# Altium PCB STB_LightBoard.PcbDoc (part 11 of 31) (continued)
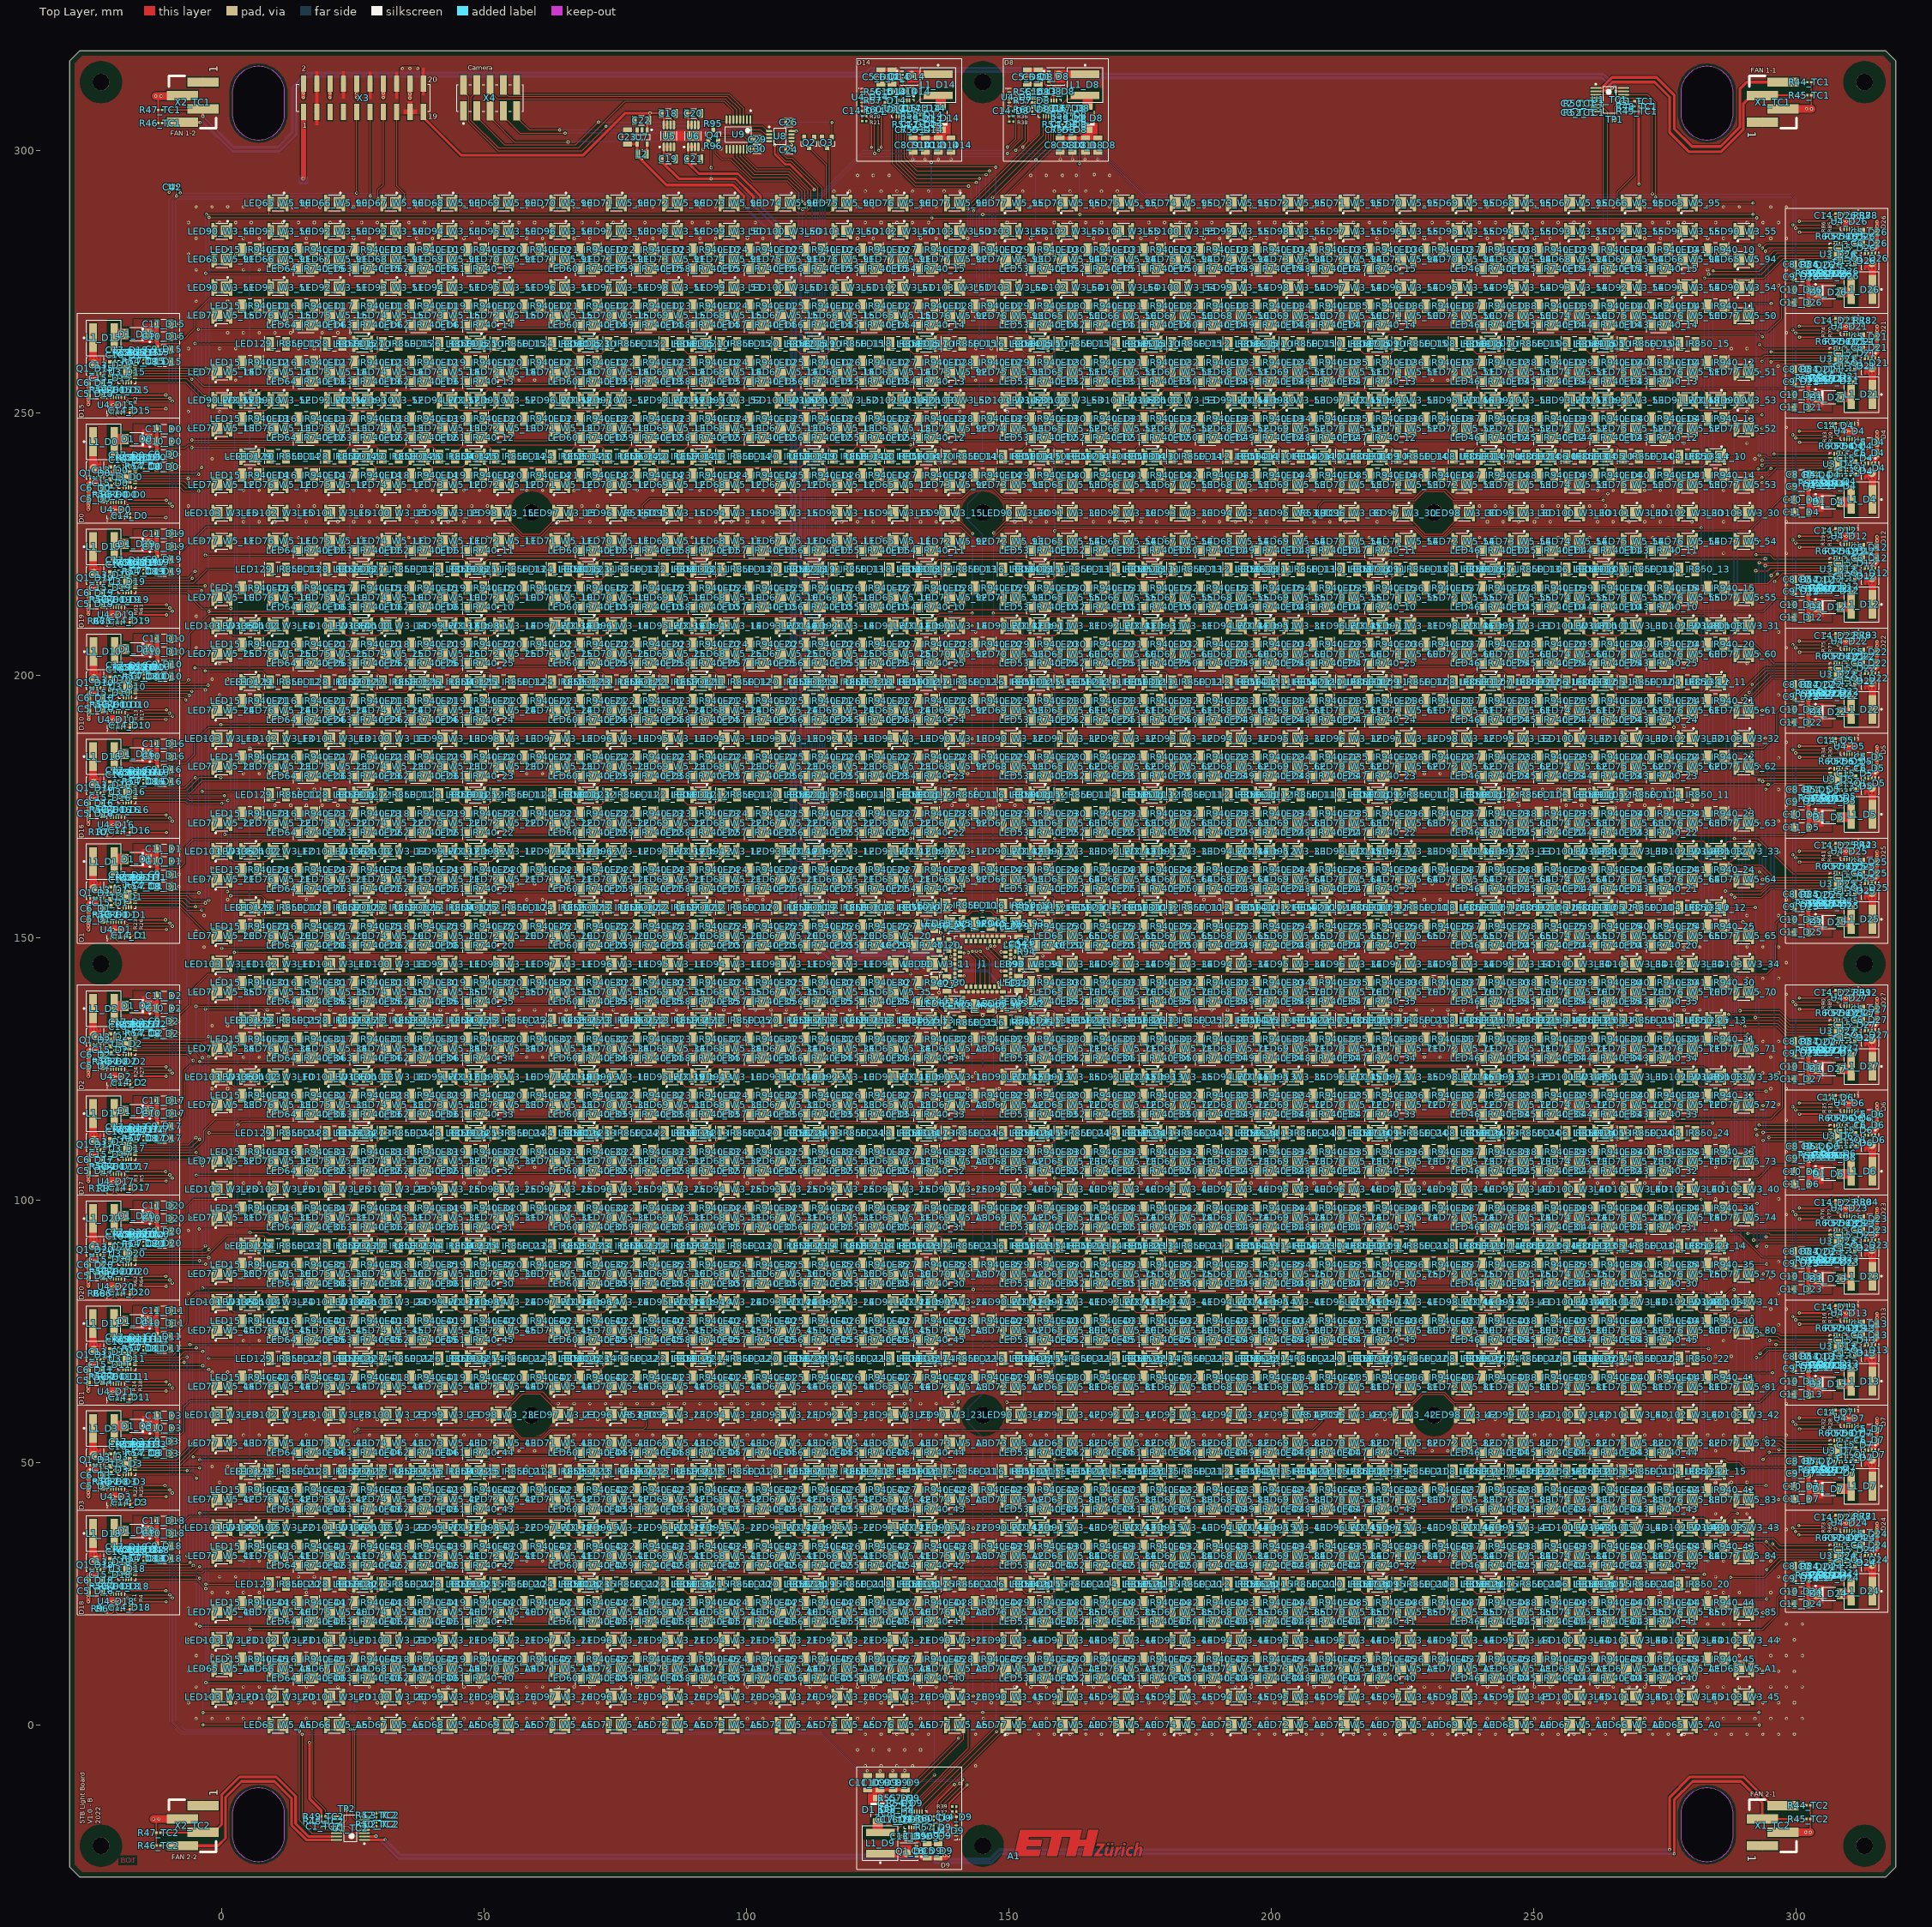
[diagram p0: Top Layer view]
## Components (designator, comment, footprint, x,y, rotation, side; value= is the part's Value field where it differs from the comment) (continued)
U4_D2 "LTC4316IDD#TRPBF" DFN10(3x3)_N -20.125,123.525 r90 top (schematic designator U4)
U4_D3 "LTC4316IDD#TRPBF" DFN10(3x3)_N -20.125,43.525 r90 top (schematic designator U4)
U4_D4 "LTC4316IDD#TRPBF" DFN10(3x3)_N 310.125,246.475 r270 top (schematic designator U4)
U4_D5 "LTC4316IDD#TRPBF" DFN10(3x3)_N 310.125,186.475 r270 top (schematic designator U4)
U4_D6 "LTC4316IDD#TRPBF" DFN10(3x3)_N 310.125,118.475 r270 top (schematic designator U4)
U4_D7 "LTC4316IDD#TRPBF" DFN10(3x3)_N 310.125,58.475 r270 top (schematic designator U4)
U4_D8 "LTC4316IDD#TRPBF" DFN10(3x3)_N 151.525,310.125 r0 top (schematic designator U4)
U4_D9 "LTC4316IDD#TRPBF" DFN10(3x3)_N 138.475,-20.125 r180 top (schematic designator U4)
U4_D10 "LTC4316IDD#TRPBF" DFN10(3x3)_N -20.067,191.525 r90 top (schematic designator U4)
U4_D11 "LTC4316IDD#TRPBF" DFN10(3x3)_N -20.167,63.525 r90 top (schematic designator U4)
U4_D12 "LTC4316IDD#TRPBF" DFN10(3x3)_N 310.125,226.475 r270 top (schematic designator U4)
U4_D13 "LTC4316IDD#TRPBF" DFN10(3x3)_N 310.125,78.475 r270 top (schematic designator U4)
U4_D14 "LTC4316IDD#TRPBF" DFN10(3x3)_N 123.525,310.125 r0 top (schematic designator U4)
U4_D15 "LTC4316IDD#TRPBF" DFN10(3x3)_N -20.125,251.525 r90 top (schematic designator U4)
U4_D16 "LTC4316IDD#TRPBF" DFN10(3x3)_N -20.125,171.525 r90 top (schematic designator U4)
U4_D17 "LTC4316IDD#TRPBF" DFN10(3x3)_N -20.125,103.525 r90 top (schematic designator U4)
U4_D18 "LTC4316IDD#TRPBF" DFN10(3x3)_N -20.125,23.525 r90 top (schematic designator U4)
U4_D19 "LTC4316IDD#TRPBF" DFN10(3x3)_N -20.125,211.525 r90 top (schematic designator U4)
U4_D20 "LTC4316IDD#TRPBF" DFN10(3x3)_N -20.125,83.525 r90 top (schematic designator U4)
U4_D21 "LTC4316IDD#TRPBF" DFN10(3x3)_N 310.125,266.475 r270 top (schematic designator U4)
U4_D22 "LTC4316IDD#TRPBF" DFN10(3x3)_N 310.125,206.475 r270 top (schematic designator U4)
U4_D23 "LTC4316IDD#TRPBF" DFN10(3x3)_N 310.125,98.475 r270 top (schematic designator U4)
U4_D24 "LTC4316IDD#TRPBF" DFN10(3x3)_N 310.125,38.475 r270 top (schematic designator U4)
U4_D25 "LTC4316IDD#TRPBF" DFN10(3x3)_N 310.125,166.475 r270 top (schematic designator U4)
U4_D26 "LTC4316IDD#TRPBF" DFN10(3x3)_N 310.125,286.475 r270 top (schematic designator U4)
U4_D27 "LTC4316IDD#TRPBF" DFN10(3x3)_N 310.125,138.475 r270 top (schematic designator U4)
U5 "ADP124ARHZ-2.8-R7" ADI-RH-8-1_N 85.2,302.75 r90 top
U6 "ADP124ARHZ-2.8-R7" ADI-RH-8-1_N 89.85,302.75 r90 top
U7 "LM3674MF-1.2/NOPB" DBV0005A_N 80.1,302.55 r270 top
U8 "TCA9800DGKT" DGK0008A_L 106.425,302.725 r0 top
U9 "SN74AXC4T774PWR" FP-PW0016A-IPC_B 98.45,303.05 r270 top
X1_TC1 "3-647168-4" 3-647168-4 295.55,309.19 r270 top (schematic designator X1)
X1_TC2 "3-647168-4" 3-647168-4 295.55,-19.19 r270 top (schematic designator X1)
X2_TC1 "3-647168-4" 3-647168-4 -5.55,309.19 r90 top (schematic designator X2)
X2_TC2 "3-647168-4" 3-647168-4 -5.55,-19.19 r90 top (schematic designator X2)
X3 "61002021121" 61002021121 27,310 r0 top
X4 "TSM-105-01-T-DV-TR" SMTC-TSM-105-01-T-DV_V 51.13,310 r0 top
Y1 "ASEMB-25.000MHZ-LC-T" FP-ASEMB-MFG 137.6,148.6 r270 top

## Footprints (in the part's own frame and the unit in brackets; to place one, negate y for a bottom-side part, rotate by r counter-clockwise, add the part's x,y. Pads: shape width x height; smd on the part's side, far side on the other; paste and mask are expansions set on the pad)
3-647168-4 [mm] "04P MTA100 HDR ASSY SM 30AU LF"
  rect 1.78x5.97 smd paste-1: 1(3.81,-1.965) 2(1.27,1.965) 3(-1.27,-1.965) 4(-3.81,1.965)
  silkscreen extent -5,-4.5 5,4.5, body extent -5.08,-4.27 5.08,4.31, height 10.67
"4-WLCSP (0.77x0.77)" [mm] "BGA, 4-Balls, Body 0.77x0.77mm, Pitch 0.4mm"
  round 0.22 smd mask+0.032: A1(-0.2,0.2) A2(0.2,0.2) B1(-0.2,-0.2) B2(0.2,-0.2)
  silkscreen extent -0.55,-0.38 0.39,0.57, body extent -0.33,-0.33 0.33,0.33, height 0.4
61002021121 [mm] "Pin Header, pitch 2.54 mm, SMD, Vertical, dual row, 20p"
  rect 1x3.1 smd: 1(-11.43,-2.7) 2(-11.43,2.7) 3(-8.89,-2.7) 4(-8.89,2.7) 5(-6.35,-2.7) 6(-6.35,2.7) 7(-3.81,-2.7) 8(-3.81,2.7) 9(-1.27,-2.7) 10(-1.27,2.7) 11(1.27,-2.7) 12(1.27,2.7) 13(3.81,-2.7) 14(3.81,2.7) 15(6.35,-2.7) 16(6.35,2.7) 17(8.89,-2.7) 18(8.89,2.7) 19(11.43,-2.7) 20(11.43,2.7)
  silkscreen extent -12.77,-2.56 12.77,2.57, body extent -12.7,-3.75 12.7,3.75, height 9.62
ADI-RH-8-1_N [mm] "SOP, 8-Leads, Body 3x3mm, Pitch 0.65mm, Thermal Pad 1.73x2.16mm, IPC Medium Density"
  oval 1.7x0.45 smd: 1(-2.1,0.975) 2(-2.1,0.325) 3(-2.1,-0.325) 4(-2.1,-0.975) 5(2.1,-0.975) 6(2.1,-0.325) 7(2.1,0.325) 8(2.1,0.975)
  rect 1.83x2.26 smd: 9(0,0)
  silkscreen extent -2.22,-1.55 0.85,1.87, body extent -1.55,-1.55 1.55,1.55, height 1.1
AREM-80C0-LM000 [mm] "Infrared (IR) Emitter 850nm 1.5V 70mA 14.4mW/sr @ 70mA (Typ) 120° 2-PLCC"
  rect 1.5x2.6 smd: 1(-1.5,0) 2(1.5,0)
  silkscreen extent -2.55,-1.4 0.38,1.4, body extent -1.55,-1.4 1.55,1.4, height 1.9
CAPC1005X55X25LL5T10 [mm] "Chip Capacitor, 2-Leads, Body 1.05x0.55mm, IPC High Density"
  rect 0.56x0.52 smd: 1(-0.39,0) 2(0.39,0)
  body extent -0.53,-0.28 0.53,0.28, height 0.55
CAPC1005X56X25LL10T15 [mm] "Chip Capacitor, 2-Leads, Body 1.00x0.50mm, IPC High Density"
  rect 0.58x0.54 smd: 1(-0.39,0) 2(0.39,0)
  body extent -0.55,-0.3 0.55,0.3, height 0.56
CAPC1050X55X23LL05T13 [mm] "Chip Capacitor, 2-Leads, Body 1.05x0.55mm, IPC High Density"
  rect 0.56x0.52 smd: 1(-0.39,0) 2(0.39,0)
  body extent -0.53,-0.28 0.53,0.28, height 0.55
CAPC1608X90X35LL15T15 [mm] "Chip Capacitor, 2-Leads, Body 1.60x0.81mm, IPC High Density"
  rect 0.85x0.9 smd: 1(-0.65,0) 2(0.65,0)
  body extent -0.88,-0.48 0.87,0.48, height 0.9
DBV0005A_N [mm] "SOT23, 5-Leads, Body 3.05x1.75mm, Pitch 0.95mm, IPC Medium Density"
  rrect17% 1x0.6 smd: 1(-1.375,0.95) 2(-1.375,0) 3(-1.375,-0.95) 4(1.375,-0.95) 5(1.375,0.95)
  silkscreen extent -1.5,-1.55 0.5,1.93, body extent -1.42,-1.46 1.42,1.46, height 1.08
DFN10(3x3)_N [mm] "SON, 10-Leads, Body 3x3mm, Pitch 0.5mm, Thermal Pad 2.45x1.6mm, IPC Medium Density"
  oval 0.8x0.25 smd: 1(-1.475,1) 2(-1.475,0.5) 3(-1.475,0) 4(-1.475,-0.5) 5(-1.475,-1) 6(1.475,-1) 7(1.475,-0.5) 8(1.475,0) 9(1.475,0.5) 10(1.475,1)
  rect 0.25x2.45 smd paste+0 mask+0: 11(0,0)
  Top Layer region: -0.8,-1.225 -0.375,-1.225 -0.375,-1.575 -0.125,-1.575 -0.125,-1.225 0.125,-1.225 0.125,-1.575 0.375,-1.575 0.375,-1.225 0.8,-1.225 0.8,1.225 0.375,1.225 0.375,1.575 0.125,1.575 0.125,1.225 -0.125,1.225 -0.125,1.575 -0.375,1.575 -0.375,1.225 -0.8,1.225
  silkscreen extent -2.17,-1.72 1.72,1.77, body extent -1.57,-1.57 1.58,1.58, height 1
DGK0008A_L [mm] "TSOP, 8-Leads, Body 3.1x3.1mm, Pitch 0.65mm, IPC High Density"
  rrect22% 1.15x0.45 smd: 1(-2.125,0.975) 2(-2.125,0.325) 3(-2.125,-0.325) 4(-2.125,-0.975) 5(2.125,-0.975) 6(2.125,-0.325) 7(2.125,0.325) 8(2.125,0.975)
  silkscreen extent -2.25,-1.55 1.15,1.87, body extent -2.45,-1.5 2.45,1.5, height 0.94
eth-zurich_5mm [mm] "Logo ETH Zurich"
  Top Layer circle w0.5: c20.997,2.288 r0.001
  Top Layer circle w0.45: c18.655,2.315 r0.001
  Top Layer circle w0.45: c17.94,2.315 r0.001
  Top Layer region: 23.53,1.6 23.53,1.6 23.415,1.465 23.667,2.602 23.257,2.602 22.69,0.04 23.1,0.04 23.25,0.723 23.335,0.925 23.435,1.105 23.535,1.265 23.635,1.37 23.715,1.425 23.795,1.465 23.855,1.465 23.915,1.445 23.955,1.405 23.965,1.345 23.965,1.265 23.955,1.195 23.697,0.04 24.142,0.04 24.335,0.925 24.408,1.255 24.415,1.405 24.395,1.545 24.355,1.665 24.275,1.745 24.175,1.805 24.095,1.825 23.935,1.825 23.775,1.785 23.635,1.705
  Top Layer region: 22.69,1.753 22.69,1.753 22.6,1.785 22.5,1.8 22.34,1.8 22.16,1.785 21.97,1.74 21.81,1.66 21.68,1.56 21.6,1.48 21.52,1.38 21.45,1.26 21.4,1.14 21.35,1 21.32,0.87 21.3,0.74 21.3,0.57 21.32,0.42 21.35,0.32 21.4,0.22 21.46,0.14 21.54,0.08 21.63,0.04 21.72,0.02 21.92,0 22.02,0 22.2,0.02 22.313,0.048 22.36,0.06 22.403,0.453 22.31,0.42 22.18,0.39 22.08,0.38 22.01,0.38 21.93,0.4 21.86,0.44 21.82,0.48 21.79,0.54 21.77,0.61 21.76,0.68 21.76,0.77 21.78,0.9 21.82,1.03 21.87,1.14 21.93,1.23 22.02,1.34 22.1,1.39 22.18,1.42 22.26,1.43 22.38,1.43 22.49,1.42 22.54,1.41 22.61,1.39
  Top Layer region: 20.73,0.04 20.73,0.04 21.117,1.785 20.707,1.785 20.32,0.04
  Top Layer region: 19.763,1.3 19.763,1.3 19.87,1.785 19.46,1.785 19.072,0.04 19.483,0.04 19.545,0.323 19.64,0.63 19.75,0.9 19.84,1.07 19.965,1.235 20.05,1.32 20.12,1.37 20.19,1.4 20.24,1.4 20.308,1.382 20.4,1.8 20.34,1.81 20.28,1.81 20.22,1.8 20.13,1.76 20.07,1.72 19.99,1.65 19.92,1.58 19.84,1.46
  Top Layer region: 18.61,0.04 18.61,0.04 18.998,1.785 18.535,1.785 18.385,1.102 18.3,0.9 18.2,0.72 18.1,0.56 18,0.455 17.92,0.4 17.84,0.36 17.78,0.36 17.72,0.38 17.68,0.42 17.67,0.48 17.67,0.56 17.68,0.63 17.938,1.785 17.492,1.785 17.3,0.9 17.227,0.57 17.22,0.42 17.24,0.28 17.28,0.16 17.36,0.08 17.46,0.02 17.54,0 17.7,0 17.86,0.04 18,0.12 18.105,0.225 18.22,0.36 18.15,0.04
  Top Layer region: 17.265,2.4 17.265,2.4 15.753,2.4 15.66,1.985 16.575,1.985 15.288,0.308 15.23,0.04 16.74,0.04 16.833,0.455 15.915,0.455 17.207,2.14
  Top Layer region: 14.825,0 14.825,0 16,5 14.155,5 13.712,3.117 12.432,3.117 12.872,5 1.175,5 0,0 1.953,0 4.73,0 5.035,1.3 2.26,1.3 2.402,1.91 5.058,1.91 5.34,3.11 2.682,3.11 2.822,3.7 7.123,3.7 6.25,0 8.205,0 9.075,3.7 10.723,3.7 9.855,0 11.7,0 12.15,1.917 13.43,1.917 12.98,0
FP-511DQ-MFG#1 [mm]
  rect 0.42x0.7 smd paste+0 mask+0: 1(-0.975,-1.4) 2(-0.325,-1.4) 3(0.325,-1.4) 4(0.975,-1.4)
  round 1.529 smd paste+0 mask+0: 5-6-7-8(-0.312,0.473)
  Top Layer region: -1.185,1.75 -0.765,1.75 -0.765,1.3 -0.535,1.3 -0.535,1.75 -0.115,1.75 -0.115,1.3 0.115,1.3 0.115,1.75 0.535,1.75 0.535,1.3 0.765,1.3 0.765,1.75 1.185,1.75 1.185,-0.4 -1.185,-0.4 -1.185,1.75
  silkscreen extent -1.68,-2.45 1.68,1.68, body extent -1.83,-1.85 1.83,1.85, height 0.25
FP-511DQ-MFG#2 [mm]
  rect 0.42x0.7 smd paste+0 mask+0: 1(-0.975,-1.4) 2(-0.325,-1.4) 3(0.325,-1.4) 4(0.975,-1.4)
  round 1.529 smd paste+0 mask+0: 5-6-7-8(0,0.5)
  Top Layer region: -1.185,1.75 -0.765,1.75 -0.765,1.3 -0.535,1.3 -0.535,1.75 -0.115,1.75 -0.115,1.3 0.115,1.3 0.115,1.75 0.535,1.75 0.535,1.3 0.765,1.3 0.765,1.75 1.185,1.75 1.185,-0.4 -1.185,-0.4 -1.185,1.75
  silkscreen extent -1.68,-2.45 1.68,1.68, body extent -1.83,-1.85 1.83,1.85, height 0.25
FP-1050281001-MFG [mm]
  rect 0.84x0.5 smd paste+0 mask+0: 1(-4.31,3.15) 2(-4.31,2.25) 3(-4.31,1.35) 4(-4.31,0.45) 5(-4.31,-0.45) 6(-4.31,-1.35) 7(-4.31,-2.25) 8(-4.31,-3.15) 17(4.31,-3.15) 18(4.31,-2.25) 19(4.31,-1.35) 20(4.31,-0.45) 21(4.31,0.45) 22(4.31,1.35) 23(4.31,2.25) 24(4.31,3.15)
  rect 0.5x0.84 smd paste+0 mask+0: 9(-3.15,-4.31) 10(-2.25,-4.31) 11(-1.35,-4.31) 12(-0.45,-4.31) 13(0.45,-4.31) 14(1.35,-4.31) 15(2.25,-4.31) 16(3.15,-4.31) 25(3.15,4.31) 26(2.25,4.31) 27(1.35,4.31) 28(0.45,4.31) 29(-0.45,4.31) 30(-1.35,4.31) 31(-2.25,4.31) 32(-3.15,4.31)
  rect 1.1x0.65 smd paste+0 mask+0: 33(-3.83,5.305) 41(3.83,5.305) 60(-3.83,-5.305) 68(3.83,-5.305)
  rect 0.65x0.65 smd paste+0 mask+0: 34(-2.7,5.305) 35(-1.8,5.305) 36(-0.9,5.305) 37(0,5.305) 38(0.9,5.305) 39(1.8,5.305) 40(2.7,5.305) 44(-5.305,2.7) 45(5.305,2.7) 46(-5.305,1.8) 47(5.305,1.8) 48(-5.305,0.9) 49(5.305,0.9) 50(-5.305,0) 51(5.305,0) 52(-5.305,-0.9) 53(5.305,-0.9) 54(-5.305,-1.8) 55(5.305,-1.8) 56(-5.305,-2.7) 57(5.305,-2.7) 61(-2.7,-5.305) 62(-1.8,-5.305) 63(-0.9,-5.305) 64(0,-5.305) 65(0.9,-5.305) 66(1.8,-5.305) 67(2.7,-5.305)
  rect 0.65x1.1 smd paste+0 mask+0: 42(-5.305,3.83) 43(5.305,3.83) 58(-5.305,-3.83) 59(5.305,-3.83)
  silkscreen extent -6.4,-5.38 5.38,5.38, body extent -5.73,-5.73 5.73,5.73, height 0.25
FP-ASEMB-MFG [mm]
  rect 0.9x1 smd paste+0 mask+0: 1(-1.05,-0.95) 2(1.05,-0.95) 3(1.05,0.95) 4(-1.05,0.95)
  silkscreen extent -1.63,-2.15 1.63,1.28, body extent -1.73,-1.55 1.73,1.55, height 0.25
FP-CL10-0_1-MFG [mm]
  rect 0.625x0.825 smd paste+0 mask+0: 1(-0.575,0) 2(0.575,0)
  silkscreen extent -0.8,-0.79 0.8,0.79, body extent -0.99,-0.55 0.99,0.55, height 0.25
FP-CL31B106KBHNNNE-MFG [mm]
  rect 0.925x1.7 smd paste+0 mask+0: 1(-1.363,0) 2(1.362,0)
  silkscreen extent -0.52,-0.9 0.53,0.9, body extent -1.92,-1 1.92,1, height 0.25
FP-NCP15-NCU15-0_05-IPC_C [mm]
  rect 0.515x0.472 smd paste+0 mask+0: 1(-0.379,0) 2(0.379,0)
  silkscreen extent -0.64,-0.68 0.64,0.67, body extent -0.74,-0.38 0.74,0.38, height 0.25
FP-PW0016A-IPC_B [mm]
  rect 1.655x0.381 smd paste+0 mask+0: 1(-2.825,2.275)
  rrect100% 1.655x0.381 smd paste+0 mask+0: 2(-2.825,1.625) 3(-2.825,0.975) 4(-2.825,0.325) 5(-2.825,-0.325) 6(-2.825,-0.975) 7(-2.825,-1.625) 8(-2.825,-2.275) 9(2.825,-2.275) 10(2.825,-1.625) 11(2.825,-0.975) 12(2.825,-0.325) 13(2.825,0.325) 14(2.825,0.975) 15(2.825,1.625) 16(2.825,2.275)
  silkscreen extent -4.63,-2.5 1.5,2.5, body extent -3.9,-2.75 3.9,2.75, height 0.25
FP-SOT23-MFG [mm]
  rect 0.9x0.8 smd paste+0 mask+0: 1(-1,0.95) 2(-1,-0.95) 3(1,0)
  silkscreen extent -0.18,-1.5 0.7,1.5, body extent -1.55,-1.6 1.55,1.6, height 0.25
FP-XAL6060-MFG [mm]
  rect 1.43x5.5 smd paste+0 mask+0: 1(-2.02,0) 2(2.02,0)
  silkscreen extent -3.87,-3.38 3.28,3.38, body extent -3.38,-3.48 3.38,3.48, height 0.25
INDC2016X10L [mm] "Chip Inductor, 2-Leads, Body 2.05x1.65mm, IPC High Density"
  rect 0.94x1.73 smd: 1(-0.805,0) 2(0.805,0)
  silkscreen extent -0.12,-0.9 0.12,0.9, body extent -1.1,-0.9 1.1,0.9, height 1
LT-UDC-20_N [mm] "QFN, 20-Leads, Body 4x3mm, Pitch 0.5mm, Thermal Pad 2.5x1.5mm, IPC Medium Density"
  oval 0.8x0.3 smd: 1(-1.5,1.25) 2(-1.5,0.75) 3(-1.5,0.25) 4(-1.5,-0.25) 5(-1.5,-0.75) 6(-1.5,-1.25) 11(1.5,-1.25) 12(1.5,-0.75) 13(1.5,-0.25) 14(1.5,0.25) 15(1.5,0.75) 16(1.5,1.25)
  oval 0.3x0.8 smd: 7(-0.75,-2) 8(-0.25,-2) 9(0.25,-2) 10(0.75,-2) 17(0.75,2) 18(0.25,2) 19(-0.25,2) 20(-0.75,2)
  rect 1.65x2.65 smd: 21(0,0)
  silkscreen extent -2.47,-2.2 1.7,2.2, body extent -1.55,-2.05 1.55,2.05, height 0.8
MAXM-E16+1_M [mm] "SOP, 16-Leads, Body 4.9x3.89mm, Pitch 0.635mm, IPC Low Density"
  oval 2.1x0.35 smd: 1(-2.65,2.222) 2(-2.65,1.587) 3(-2.65,0.952) 4(-2.65,0.317) 5(-2.65,-0.318) 6(-2.65,-0.953) 7(-2.65,-1.588) 8(-2.65,-2.223) 9(2.65,-2.223) 10(2.65,-1.588) 11(2.65,-0.953) 12(2.65,-0.318) 13(2.65,0.317) 14(2.65,0.952) 15(2.65,1.587) 16(2.65,2.222)
  silkscreen extent -2.77,-2.5 1.2,3.07, body extent -2,-2.5 2,2.5, height 1.75
NE2B757GT [mm] "Nichia Blue Surface Mount 3030 LED"
  rect 0.6x3.15 smd: 1(-1.7,0) 2(1.7,0)
  rect 1.54x2.3 smd: 1(-0.635,0)
  rect 0.59x2.3 smd: 2(1.11,0)
  silkscreen extent -1.27,-2.03 1.15,1.5, body extent -1.4,-1.52 1.4,1.52, height 0.66
NE2G757GT [mm] "Nichia Green Surface Mount 3030 LED"
  rect 0.6x3.15 smd: 1(-1.7,0) 2(1.7,0)
  rect 1.54x2.3 smd: 1(-0.635,0)
  rect 0.59x2.3 smd: 2(1.11,0)
  silkscreen extent -1.27,-2.03 1.15,1.5, body extent -1.4,-1.52 1.4,1.52, height 0.66
NE2R757GT-P6 [mm] "Nichia Red Surface Mount 3030 LED"
  rect 0.6x3.15 smd: 1(-1.7,0) 2(1.7,0)
  rect 1.54x2.3 smd: 1(-0.635,0)
  rect 0.59x2.3 smd: 2(1.11,0)
  silkscreen extent -1.27,-2.03 1.15,1.5, body extent -1.4,-1.52 1.4,1.52, height 0.66
NF2W757GT-F1 [mm] "Nichia 180lm/W White Surface Mount 3030 Mid Power LED"
  rect 0.6x3.15 smd: 1(-1.7,0) 2(1.7,0)
  rect 1.54x2.3 smd: 1(-0.635,0)
  rect 0.59x2.3 smd: 2(1.11,0)
  silkscreen extent -1.27,-2.03 1.15,1.5, body extent -1.4,-1.52 1.4,1.52, height 0.66
QBHP686-IR4D [mm] "Infrared (IR) Emitter 740nm 1.8V 100mA 5.6mW/sr @ 50mA 120° 1411 (3528 Metric)"
  rect 1.5x2.1 smd: 1(-1.263,0)
  rect 2.35x2.1 smd: 2(1.263,0)
  silkscreen extent -2.3,-1.4 1.55,1.4, body extent -1.64,-1.4 1.86,1.4, height 0.8
RESC1005X40X25LL05T05 [mm] "Chip Resistor, 2-Leads, Body 1.00x0.50mm, IPC High Density"
  rect 0.45x0.45 smd: 1(-0.4,0) 2(0.4,0)
  body extent -0.53,-0.27 0.53,0.28, height 0.4
RESC1005X40X25LL05T10 [mm] "Chip Resistor, 2-Leads, Body 1.00x0.50mm, IPC High Density"
  rect 0.5x0.45 smd: 1(-0.375,0) 2(0.375,0)
  body extent -0.53,-0.27 0.53,0.28, height 0.4
SMTC-TSM-105-01-T-DV_V [mm] "Connector, 10-Leads, Body 12.7x5.08mm, Pitch 2.54mm"
  rect 1.27x3.68 smd: 1(-5.08,-2.475) 2(-5.08,2.475) 3(-2.54,-2.475) 4(-2.54,2.475) 5(0,-2.475) 6(0,2.475) 7(2.54,-2.475) 8(2.54,2.475) 9(5.08,-2.475) 10(5.08,2.475)
  silkscreen extent -6.35,-4.99 6.35,2.54, body extent -6.35,-3.85 6.35,3.85, height 9.65
SOD-128 [mm] "SOD, 2-Leads, Body 4x2.7mm"
  rect 1.2x1.9 smd: 1(-2.2,0) 2(2.2,0)
  silkscreen extent -2.59,-1.25 1.35,1.59, body extent -2,-1.35 2,1.35, height 1.1
TP-SM-C-100 [mm] "Test Point, Surface Mounting, Circular, Pad Diameter 1mm"
  round 1 smd paste-1: TP(0,0)

## Part data
A1: library part CMP-00038-1
C1_TC1 C1_TC2 C4 C14_D0 C14_D1 C14_D2 C14_D3 C14_D4 C14_D5 C14_D6 C14_D7 C14_D8 C14_D9 C14_D10 C14_D11 C14_D12 C14_D13 C14_D14 C14_D15 C14_D16 C14_D17 C14_D18 C14_D19 C14_D20 C14_D21 C14_D22 C14_D23 C14_D24 C14_D25 C14_D26 C14_D27: library part CMP-2000-05439-1, "Chip Capacitor, 100 nF, +/- 10%, 16 V, -55 to 125 degC, 0402 (1005 Metric), RoHS, Tape and Reel", Capacitor Type=Ceramic, Case Size/Dimension=0402, Dielectric=X7R, Manufacturer="Samsung Electro-Mechanics", Manufacturer Part Number=CL05B104KO5NNNC, Max Operating Temperature=125°C, Min Operating Temperature=-55°C, Negative Tolerance=10%, Package Shape=Rectangular, Package Style=SMTMeter, Rated DC Voltage (URdc)=16V, Supplier Part Number 1=1276-1001-6-ND, Tolerance (%)=±10%, Category="Ceramic Capacitors", ComponentLink1Description=https://datasheet.ciiva.com:443/pdfs/VipMasterIC/IC/SEMS/SEMS-S-A0008384515/SEMS-S-A0008872921-1.pdf?src-supplier=IHS+Markit, ComponentLink1URL=https://datasheet.ciiva.com:443/pdfs/VipMasterIC/IC/SEMS/SEMS-S-A0008384515/SEMS-S-A0008872921-1.pdf?src-supplier=IHS+Markit, ComponentLink2Description=https://datasheet.ciiva.com/26920/getdatasheetpartid-359683-26920169.pdf?src-supplier=Verical, ComponentLink2URL=https://datasheet.ciiva.com/26920/getdatasheetpartid-359683-26920169.pdf?src-supplier=Verical, ComponentLink3Description=https://datasheet.ciiva.com/29198/458718-da-01-en-vs-kondensator-0402-29198423.pdf?src-supplier=Conrad, ComponentLink3URL=https://datasheet.ciiva.com/29198/458718-da-01-en-vs-kondensator-0402-29198423.pdf?src-supplier=Conrad, ComponentLink4Description=https://datasheet.ciiva.com/26309/mlcc-catalogdownload2013-eng-26309003.pdf?src-supplier=Distrelec, ComponentLink4URL=https://datasheet.ciiva.com/26309/mlcc-catalogdownload2013-eng-26309003.pdf?src-supplier=Distrelec, ComponentLink5Description=https://datasheet.ciiva.com/16208/cl05b104kq5nnnc-16208343.pdf?src-supplier=Future+Electronics, ComponentLink5URL=https://datasheet.ciiva.com/16208/cl05b104kq5nnnc-16208343.pdf?src-supplier=Future+Electronics, Datasheet URL=https://datasheet.ciiva.com/29198/458718-da-01-en-vs-kondensator-0402-29198423.pdf, Datasheet Version=Nov-10, Dielectric Material=Ceramic, Height=0.55mm, JESD-609 Code=e3, Length=1mm, Manufacturer URL=http://www.samsungsem.com/global/index.jsp, Mount="Surface Mount", Multilayer=Yes, Number of Pins=2, Packaging="Tape and Reel", Positive Tolerance=10%, Pricing 1="1=0.10000, 10=0.02400, 50=0.01300, 100=0.01050, 500=0.00752, 1000=0.00592, 2500=0.00538, 5000=0.00495 (USD)", Rated Voltage=16V, REACH SVHC=Yes, RoHS=Yes, RoHS Compliant=Yes, Size Code=0402, Stock 1=24854634, Supplier 1=Digi-Key, Temperature Characteristics Code=X7R, Terminal Finish=Nickel, Termination=Wraparound, Width=0.5mm